# KiCad board rabbit_mask_capacitors_right.kicad_pcb (continued)
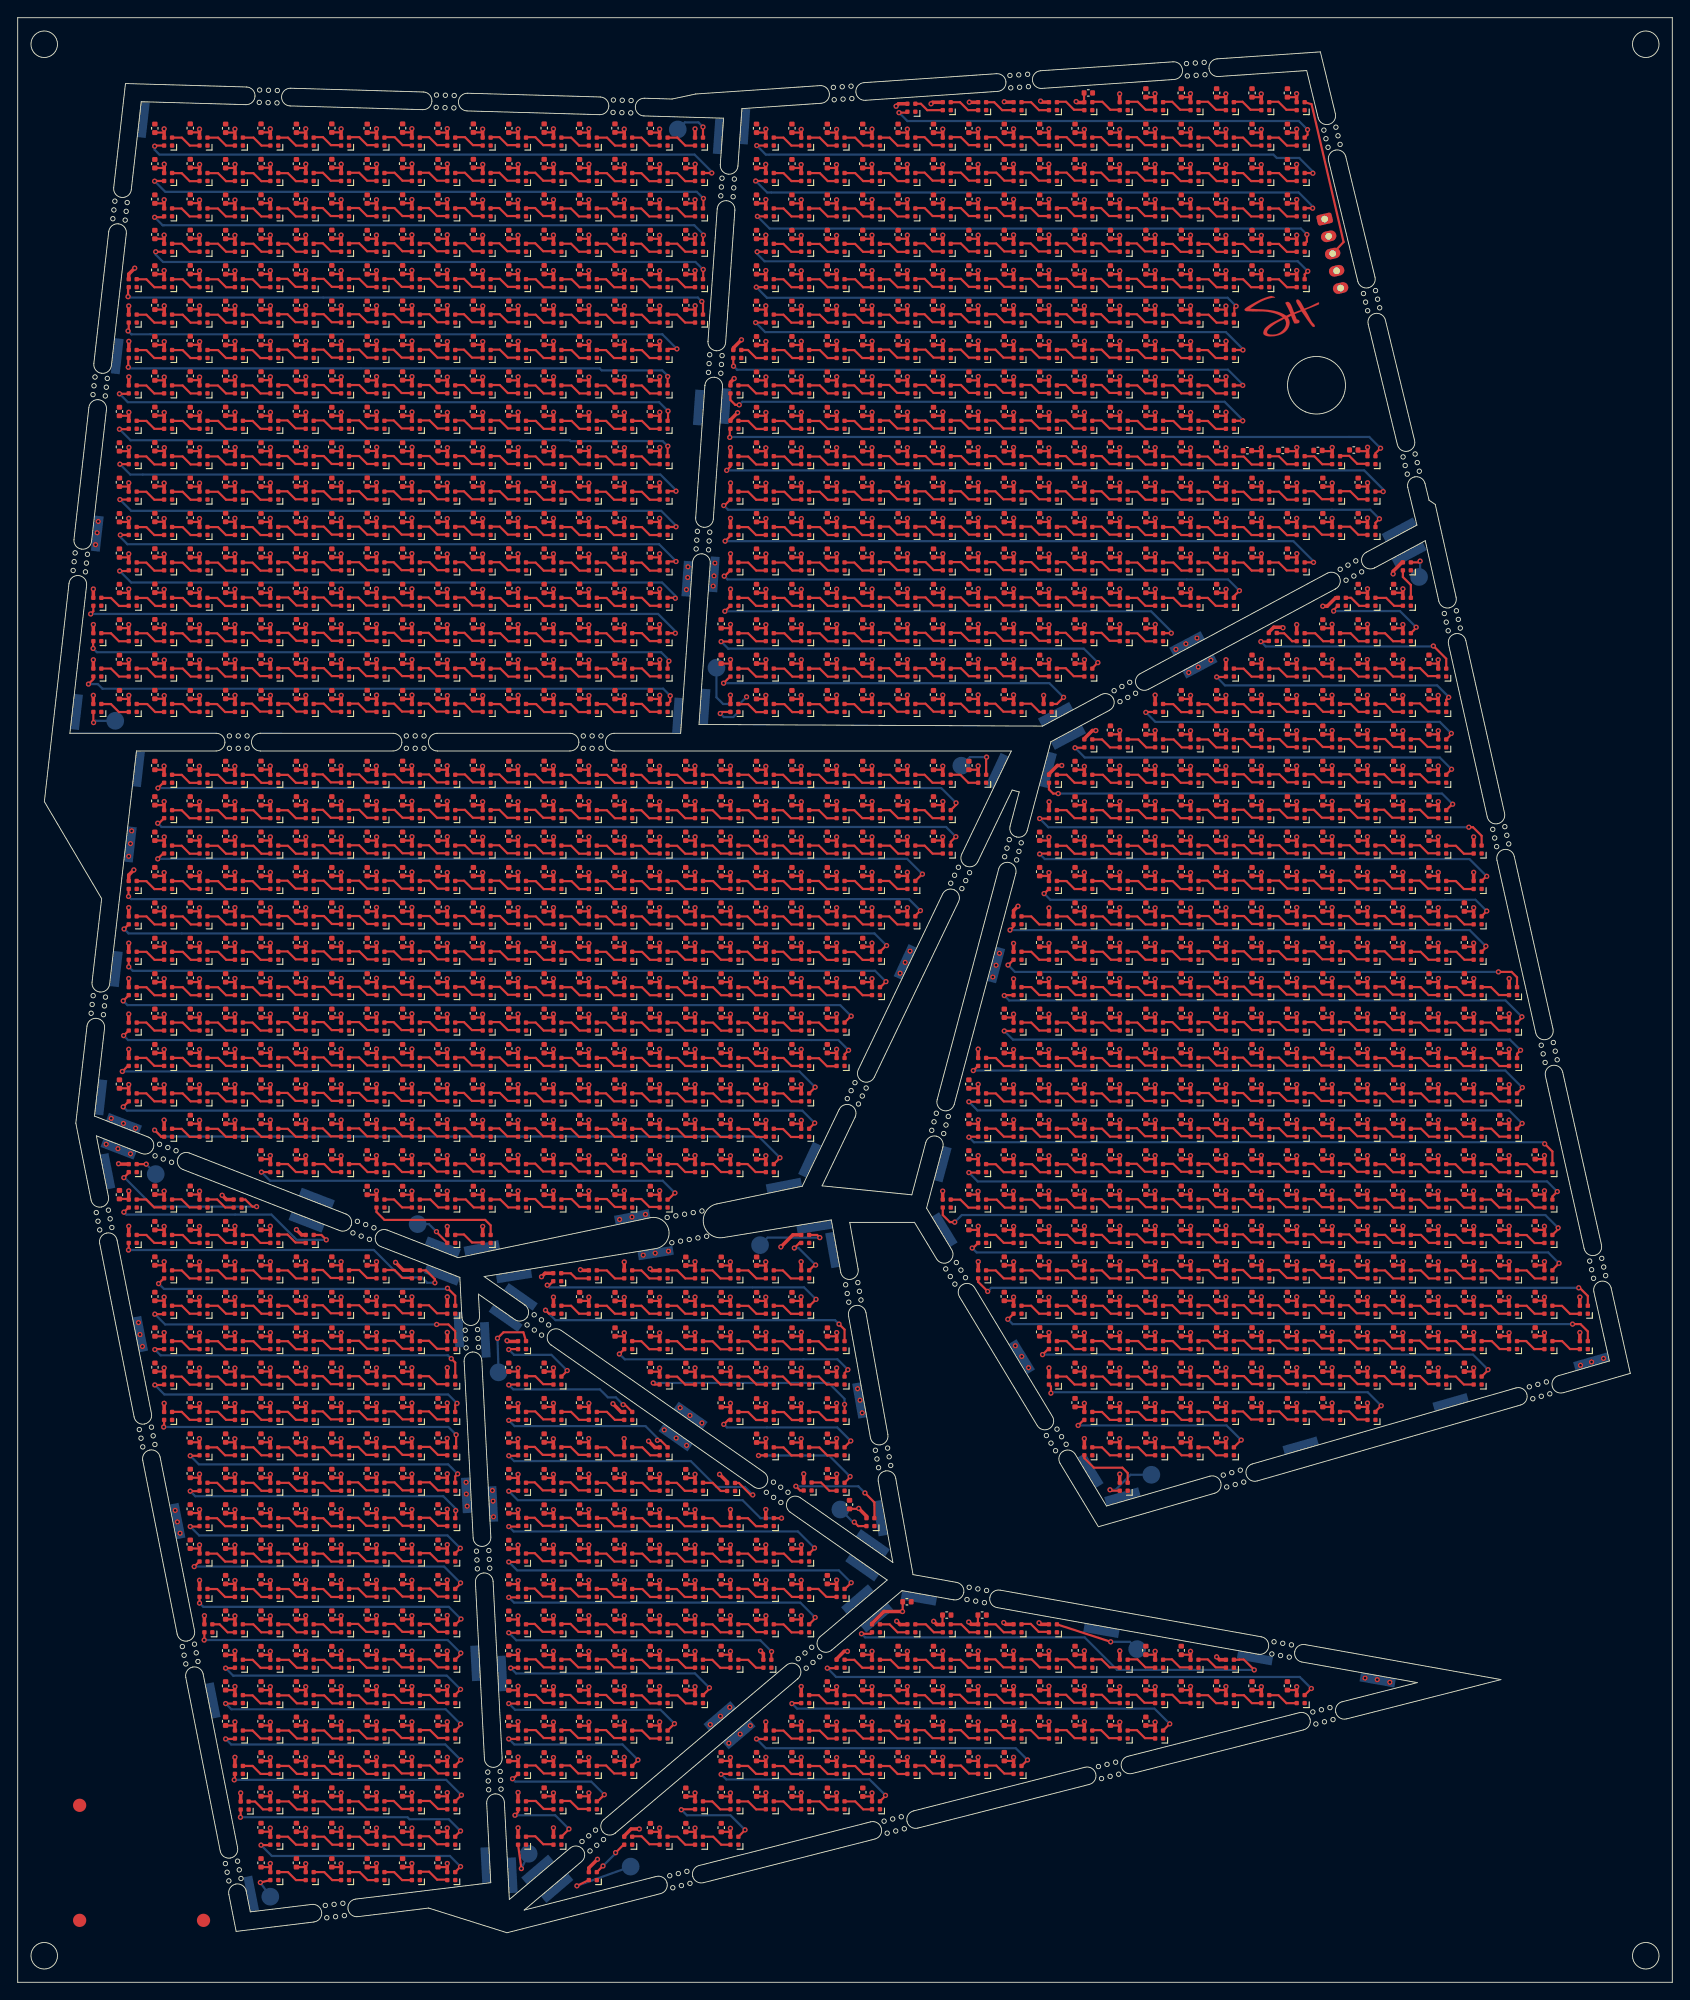
[diagram p0: board, top side]
## Routing (per net, layer and track width the routed paths; a pad name or vN(x,y) marks a point on that pad's centre or on a via; arc(x,y) is an arc through that point) (continued)
  Top w0.25: 157.39,124.49 158.49,124.49 159.39,123.59 160.49,123.59
Net-(D2219-DIN): length 3.5
  Top w0.25: 161.44,124.44 162.54,124.44 163.44,123.54 164.54,123.54
Net-(D2221-DIN): length 3.5
  Top w0.25: 16.56,119.54 15.46,119.54 14.56,120.44 13.46,120.44
Net-(D2221-DOUT): length 88.7
  Top w0.25: D2221.3 v1(12.03,119.03) ; v1(98.2,117.15) 98.15,117.15 D2279.1
  Bottom w0.25: v1(12.03,119.03) 12.53,118.53 96.82,118.53 v1(98.2,117.15)
Net-(D2222-DIN): length 3.5
  Top w0.25: 20.66,119.54 19.56,119.54 18.66,120.44 17.56,120.44
Net-(D2223-DIN): length 3.5
  Top w0.25: 21.56,120.44 22.66,120.44 23.56,119.54 24.66,119.54
Net-(D2224-DIN): length 3.5
  Top w0.25: 28.56,119.54 27.46,119.54 26.56,120.44 25.46,120.44
Net-(D2225-DIN): length 3.5
  Top w0.25: 29.41,120.49 30.51,120.49 31.41,119.59 32.51,119.59
Net-(D2226-DIN): length 3.5
  Top w0.25: 33.51,120.49 34.61,120.49 35.51,119.59 36.61,119.59
Net-(D2227-DIN): length 3.5
  Top w0.25: 40.61,119.59 39.51,119.59 38.61,120.49 37.51,120.49
Net-(D2228-DIN): length 3.5
  Top w0.25: 41.41,120.49 42.51,120.49 43.41,119.59 44.51,119.59
Net-(D2229-DIN): length 3.5
  Top w0.25: 48.56,119.59 47.46,119.59 46.56,120.49 45.46,120.49
Net-(D2230-DIN): length 3.5
  Top w0.25: 49.36,120.49 50.46,120.49 51.36,119.59 52.46,119.59
Net-(D2231-DIN): length 3.5
  Top w0.25: 56.51,119.59 55.41,119.59 54.51,120.49 53.41,120.49
Net-(D2232-DIN): length 3.5
  Top w0.25: 60.56,119.54 59.46,119.54 58.56,120.44 57.46,120.44
Net-(D2233-DIN): length 3.5
  Top w0.25: 64.61,119.54 63.51,119.54 62.61,120.44 61.51,120.44
Net-(D2234-DIN): length 3.5
  Top w0.25: 68.51,119.54 67.41,119.54 66.51,120.44 65.41,120.44
Net-(D2235-DIN): length 3.5
  Top w0.25: 72.56,119.54 71.46,119.54 70.56,120.44 69.46,120.44
Net-(D2236-DIN): length 3.5
  Top w0.25: 76.54,119.54 75.44,119.54 74.54,120.44 73.44,120.44
Net-(D2237-DIN): length 3.5
  Top w0.25: 77.49,120.44 78.59,120.44 79.49,119.54 80.59,119.54
Net-(D2238-DIN): length 3.5
  Top w0.25: 81.39,120.44 82.49,120.44 83.39,119.54 84.49,119.54
Net-(D2239-DIN): length 3.5
  Top w0.25: 85.44,120.44 86.54,120.44 87.44,119.54 88.54,119.54
Net-(D2240-DIN): length 3.5
  Top w0.25: 92.56,119.54 91.46,119.54 90.56,120.44 89.46,120.44
Net-(D2241-DIN): length 3.5
  Top w0.25: 93.51,120.44 94.61,120.44 95.51,119.54 96.61,119.54
Net-(D2242-DIN): length 3.5
  Top w0.25: 100.51,119.54 99.41,119.54 98.51,120.44 97.41,120.44
Net-(D2244-DIN): length 3.5
  Top w0.25: 113.45,120.44 114.55,120.44 115.45,119.54 116.55,119.54
Net-(D2244-DOUT): length 56.2
  Top w0.25: D2293.1 165.93,116.92 v1(165.93,117.08) ; v1(112.15,118.9) 112.55,119.3 D2244.3
  Bottom w0.25: v1(112.15,118.9) 164.1,118.9 v1(165.93,117.08)
Net-(D2245-DIN): length 3.5
  Top w0.25: 120.65,119.54 119.55,119.54 118.65,120.44 117.55,120.44
Net-(D2246-DIN): length 3.5
  Top w0.25: 124.65,119.54 123.55,119.54 122.65,120.44 121.55,120.44
Net-(D2247-DIN): length 3.5
  Top w0.25: 125.45,120.44 126.55,120.44 127.45,119.54 128.55,119.54
Net-(D2248-DIN): length 3.5
  Top w0.25: 129.4,120.49 130.5,120.49 131.4,119.59 132.5,119.59
Net-(D2249-DIN): length 3.5
  Top w0.25: 133.5,120.49 134.6,120.49 135.5,119.59 136.6,119.59
Net-(D2250-DIN): length 3.5
  Top w0.25: 137.5,120.49 138.6,120.49 139.5,119.59 140.6,119.59
Net-(D2251-DIN): length 3.5
  Top w0.25: 141.4,120.49 142.5,120.49 143.4,119.59 144.5,119.59
Net-(D2252-DIN): length 3.5
  Top w0.25: 148.55,119.59 147.45,119.59 146.55,120.49 145.45,120.49
Net-(D2253-DIN): length 3.5
  Top w0.25: 152.45,119.59 151.35,119.59 150.45,120.49 149.35,120.49
Net-(D2254-DIN): length 3.5
  Top w0.25: 153.4,120.49 154.5,120.49 155.4,119.59 156.5,119.59
Net-(D2255-DIN): length 3.5
  Top w0.25: 160.55,119.54 159.45,119.54 158.55,120.44 157.45,120.44
Net-(D2256-DIN): length 3.5
  Top w0.25: 164.6,119.54 163.5,119.54 162.6,120.44 161.5,120.44
Net-(D2258-DIN): length 3.5
  Top w0.25: 13.46,116.44 14.56,116.44 15.46,115.54 16.56,115.54
Net-(D2258-DOUT): length 88
  Top w0.25: v1(12.55,114.75) D2258.3 ; D2315.1 97.5,112.45 v1(98.12,113.07)
  Bottom w0.25: v1(98.12,113.07) 96.9,114.3 13,114.3 v1(12.55,114.75)
Net-(D2259-DIN): length 3.5
  Top w0.25: 20.66,115.54 19.56,115.54 18.66,116.44 17.56,116.44
Net-(D2260-DIN): length 3.5
  Top w0.25: 24.66,115.54 23.56,115.54 22.66,116.44 21.56,116.44
Net-(D2261-DIN): length 3.5
  Top w0.25: 25.46,116.44 26.56,116.44 27.46,115.54 28.56,115.54
Net-(D2262-DIN): length 3.5
  Top w0.25: 29.41,116.49 30.51,116.49 31.41,115.59 32.51,115.59
Net-(D2263-DIN): length 3.5
  Top w0.25: 36.61,115.59 35.51,115.59 34.61,116.49 33.51,116.49
Net-(D2264-DIN): length 3.5
  Top w0.25: 37.51,116.49 38.61,116.49 39.51,115.59 40.61,115.59
Net-(D2265-DIN): length 3.5
  Top w0.25: 41.41,116.49 42.51,116.49 43.41,115.59 44.51,115.59
Net-(D2266-DIN): length 3.5
  Top w0.25: 48.56,115.59 47.46,115.59 46.56,116.49 45.46,116.49
Net-(D2267-DIN): length 3.5
  Top w0.25: 52.46,115.59 51.36,115.59 50.46,116.49 49.36,116.49
Net-(D2268-DIN): length 3.5
  Top w0.25: 56.51,115.59 55.41,115.59 54.51,116.49 53.41,116.49
Net-(D2269-DIN): length 3.5
  Top w0.25: 60.56,115.54 59.46,115.54 58.56,116.44 57.46,116.44
Net-(D2270-DIN): length 3.5
  Top w0.25: 64.61,115.54 63.51,115.54 62.61,116.44 61.51,116.44
Net-(D2271-DIN): length 3.5
  Top w0.25: 68.51,115.54 67.41,115.54 66.51,116.44 65.41,116.44
Net-(D2272-DIN): length 3.5
  Top w0.25: 72.56,115.54 71.46,115.54 70.56,116.44 69.46,116.44
Net-(D2273-DIN): length 3.5
  Top w0.25: 73.43,116.45 74.53,116.45 75.43,115.55 76.53,115.55
Net-(D2274-DIN): length 3.5
  Top w0.25: 80.58,115.55 79.48,115.55 78.58,116.45 77.48,116.45
Net-(D2275-DIN): length 3.5
  Top w0.25: 81.38,116.45 82.48,116.45 83.38,115.55 84.48,115.55
Net-(D2276-DIN): length 3.5
  Top w0.25: 88.53,115.55 87.43,115.55 86.53,116.45 85.43,116.45
Net-(D2277-DIN): length 3.5
  Top w0.25: 92.54,115.53 91.44,115.53 90.54,116.43 89.44,116.43
Net-(D2278-DIN): length 3.5
  Top w0.25: 96.59,115.53 95.49,115.53 94.59,116.43 93.49,116.43
Net-(D2280-DIN): length 3.5
  Top w0.25: D2281.3 115.45,115.55 114.55,116.45 D2280.1
Net-(D2280-DOUT): length 60.1
  Top w0.25: v1(167.35,114.17) 168.84,114.17 169.45,113.56 D2330.1 ; D2280.3 111.95,114.95 v1(111.93,114.95)
  Bottom w0.25: v1(111.93,114.95) 112.7,114.17 v1(167.35,114.17)
Net-(D2281-DIN): length 3.5
  Top w0.25: 120.65,115.55 119.55,115.55 118.65,116.45 117.55,116.45
Net-(D2282-DIN): length 3.5
  Top w0.25: 124.65,115.55 123.55,115.55 122.65,116.45 121.55,116.45
Net-(D2283-DIN): length 3.5
  Top w0.25: D2284.3 127.45,115.55 126.55,116.45 D2283.1
Net-(D2284-DIN): length 3.5
  Top w0.25: 129.4,116.5 130.5,116.5 131.4,115.6 132.5,115.6
Net-(D2285-DIN): length 3.5
  Top w0.25: 136.6,115.6 135.5,115.6 134.6,116.5 133.5,116.5
Net-(D2286-DIN): length 3.5
  Top w0.25: 140.6,115.6 139.5,115.6 138.6,116.5 137.5,116.5
Net-(D2287-DIN): length 3.5
  Top w0.25: 141.4,116.5 142.5,116.5 143.4,115.6 144.5,115.6
Net-(D2288-DIN): length 3.5
  Top w0.25: 145.45,116.5 146.55,116.5 147.45,115.6 148.55,115.6
Net-(D2289-DIN): length 3.5
  Top w0.25: 152.45,115.6 151.35,115.6 150.45,116.5 149.35,116.5
Net-(D2290-DIN): length 3.5
  Top w0.25: 156.5,115.6 155.4,115.6 154.5,116.5 153.4,116.5
Net-(D2291-DIN): length 3.5
  Top w0.25: D2291.1 158.55,116.45 159.45,115.55 D2292.3
Net-(D2292-DIN): length 3.5
  Top w0.25: 161.5,116.45 162.6,116.45 163.5,115.55 164.6,115.55
Net-(D2294-DIN): length 3.5
  Top w0.25: 16.55,111.54 15.45,111.54 14.55,112.44 13.45,112.44
Net-(D2294-DOUT): length 84.9
  Top w0.25: v1(11.93,110.9) 12.55,111.53 D2294.3 ; v1(94.2,109.18) 94.18,109.18 D2351.1
  Bottom w0.25: v1(11.93,110.9) 12.4,110.43 92.95,110.43 v1(94.2,109.18)
Net-(D2295-DIN): length 3.5
  Top w0.25: 17.55,112.44 18.65,112.44 19.55,111.54 20.65,111.54
Net-(D2296-DIN): length 3.5
  Top w0.25: 24.65,111.54 23.55,111.54 22.65,112.44 21.55,112.44
Net-(D2297-DIN): length 3.5
  Top w0.25: 25.45,112.44 26.55,112.44 27.45,111.54 28.55,111.54
Net-(D2298-DIN): length 3.5
  Top w0.25: 29.4,112.49 30.5,112.49 31.4,111.59 32.5,111.59
Net-(D2299-DIN): length 3.5
  Top w0.25: 36.6,111.59 35.5,111.59 34.6,112.49 33.5,112.49
Net-(D2300-DIN): length 3.5
  Top w0.25: 37.5,112.49 38.6,112.49 39.5,111.59 40.6,111.59
Net-(D2301-DIN): length 3.5
  Top w0.25: 41.4,112.49 42.5,112.49 43.4,111.59 44.5,111.59
Net-(D2302-DIN): length 3.5
  Top w0.25: 45.45,112.49 46.55,112.49 47.45,111.59 48.55,111.59
Net-(D2303-DIN): length 3.5
  Top w0.25: 49.35,112.49 50.45,112.49 51.35,111.59 52.45,111.59
Net-(D2304-DIN): length 3.5
  Top w0.25: 53.4,112.49 54.5,112.49 55.4,111.59 56.5,111.59
Net-(D2305-DIN): length 3.5
  Top w0.25: 60.55,111.54 59.45,111.54 58.55,112.44 57.45,112.44
Net-(D2306-DIN): length 3.5
  Top w0.25: 64.6,111.54 63.5,111.54 62.6,112.44 61.5,112.44
Net-(D2307-DIN): length 3.5
  Top w0.25: 68.5,111.54 67.4,111.54 66.5,112.44 65.4,112.44
Net-(D2308-DIN): length 3.5
  Top w0.25: 72.55,111.54 71.45,111.54 70.55,112.44 69.45,112.44
Net-(D2309-DIN): length 3.5
  Top w0.25: 73.44,112.44 74.54,112.44 75.44,111.54 76.54,111.54
Net-(D2310-DIN): length 3.5
  Top w0.25: 77.49,112.44 78.59,112.44 79.49,111.54 80.59,111.54
Net-(D2311-DIN): length 3.5
  Top w0.25: 81.39,112.44 82.49,112.44 83.39,111.54 84.49,111.54
Net-(D2312-DIN): length 3.5
  Top w0.25: 85.44,112.44 86.54,112.44 87.44,111.54 88.54,111.54
Net-(D2313-DIN): length 3.5
  Top w0.25: 92.54,111.54 91.44,111.54 90.54,112.44 89.44,112.44
Net-(D2314-DIN): length 3.5
  Top w0.25: 93.49,112.44 94.59,112.44 95.49,111.54 96.59,111.54
Net-(D2316-DIN): length 3.5
  Top w0.25: 113.45,112.46 114.55,112.46 115.45,111.56 116.55,111.56
Net-(D2316-DOUT): length 61.4
  Top w0.25: D2316.3 111.55,111.55 v1(111.5,111.5) ; D2366.1 170,109 v1(170,109.1)
  Bottom w0.25: v1(111.5,111.5) 112.05,110.95 168.15,110.95 v1(170,109.1)
Net-(D2317-DIN): length 3.5
  Top w0.25: 117.55,112.46 118.65,112.46 119.55,111.56 120.65,111.56
Net-(D2318-DIN): length 3.5
  Top w0.25: 124.65,111.56 123.55,111.56 122.65,112.46 121.55,112.46
Net-(D2319-DIN): length 3.5
  Top w0.25: 128.55,111.56 127.45,111.56 126.55,112.46 125.45,112.46
Net-(D2320-DIN): length 3.5
  Top w0.25: 129.4,112.51 130.5,112.51 131.4,111.61 132.5,111.61
Net-(D2321-DIN): length 3.5
  Top w0.25: 136.6,111.61 135.5,111.61 134.6,112.51 133.5,112.51
Net-(D2322-DIN): length 3.5
  Top w0.25: 140.6,111.61 139.5,111.61 138.6,112.51 137.5,112.51
Net-(D2323-DIN): length 3.5
  Top w0.25: 141.4,112.51 142.5,112.51 143.4,111.61 144.5,111.61
Net-(D2324-DIN): length 3.5
  Top w0.25: 148.55,111.61 147.45,111.61 146.55,112.51 145.45,112.51
Net-(D2325-DIN): length 3.5
  Top w0.25: 152.45,111.61 151.35,111.61 150.45,112.51 149.35,112.51
Net-(D2326-DIN): length 3.5
  Top w0.25: 153.4,112.51 154.5,112.51 155.4,111.61 156.5,111.61
Net-(D2327-DIN): length 3.5
  Top w0.25: 157.45,112.46 158.55,112.46 159.45,111.56 160.55,111.56
Net-(D2328-DIN): length 3.5
  Top w0.25: 164.6,111.56 163.5,111.56 162.6,112.46 161.5,112.46
Net-(D2329-DIN): length 3.5
  Top w0.25: 168.5,111.56 167.4,111.56 166.5,112.46 165.4,112.46
Net-(D2331-DIN): length 3.5
  Top w0.25: 13.44,108.45 14.54,108.45 15.44,107.55 16.54,107.55
Net-(D2331-DOUT): length 84.5
  Top w0.25: D2387.1 93.45,104.88 v1(93.9,105.32) ; v1(11.97,106.97) D2331.3
  Bottom w0.25: v1(93.9,105.32) 92.75,106.47 12.47,106.47 v1(11.97,106.97)
Net-(D2332-DIN): length 3.5
  Top w0.25: 17.54,108.45 18.64,108.45 19.54,107.55 20.64,107.55
Net-(D2333-DIN): length 3.5
  Top w0.25: 24.64,107.55 23.54,107.55 22.64,108.45 21.54,108.45
Net-(D2334-DIN): length 3.5
  Top w0.25: 25.44,108.45 26.54,108.45 27.44,107.55 28.54,107.55
Net-(D2335-DIN): length 3.5
  Top w0.25: 29.39,108.5 30.49,108.5 31.39,107.6 32.49,107.6
Net-(D2336-DIN): length 3.5
  Top w0.25: 33.49,108.5 34.59,108.5 35.49,107.6 36.59,107.6
Net-(D2337-DIN): length 3.5
  Top w0.25: 40.59,107.6 39.49,107.6 38.59,108.5 37.49,108.5
Net-(D2338-DIN): length 3.5
  Top w0.25: 41.39,108.5 42.49,108.5 43.39,107.6 44.49,107.6
Net-(D2339-DIN): length 3.5
  Top w0.25: 45.44,108.5 46.54,108.5 47.44,107.6 48.54,107.6
Net-(D2340-DIN): length 3.5
  Top w0.25: 52.44,107.6 51.34,107.6 50.44,108.5 49.34,108.5
Net-(D2341-DIN): length 3.5
  Top w0.25: 56.49,107.6 55.39,107.6 54.49,108.5 53.39,108.5
Net-(D2342-DIN): length 3.5
  Top w0.25: 60.54,107.55 59.44,107.55 58.54,108.45 57.44,108.45
Net-(D2343-DIN): length 3.5
  Top w0.25: 64.59,107.55 63.49,107.55 62.59,108.45 61.49,108.45
Net-(D2344-DIN): length 3.5
  Top w0.25: 65.39,108.45 66.49,108.45 67.39,107.55 68.49,107.55
Net-(D2345-DIN): length 3.5
  Top w0.25: 69.44,108.45 70.54,108.45 71.44,107.55 72.54,107.55
Net-(D2346-DIN): length 3.5
  Top w0.25: 73.44,108.44 74.54,108.44 75.44,107.54 76.54,107.54
Net-(D2347-DIN): length 3.5
  Top w0.25: 80.59,107.54 79.49,107.54 78.59,108.44 77.49,108.44
Net-(D2348-DIN): length 3.5
  Top w0.25: 84.49,107.54 83.39,107.54 82.49,108.44 81.39,108.44
Net-(D2349-DIN): length 3.5
  Top w0.25: 88.54,107.54 87.44,107.54 86.54,108.44 85.44,108.44
Net-(D2350-DIN): length 3.5
  Top w0.25: 92.56,107.55 91.46,107.55 90.56,108.45 89.46,108.45
Net-(D2352-DIN): length 3.5
  Top w0.25: D2352.1 114.55,108.45 115.45,107.55 D2353.3
Net-(D2352-DOUT): length 61.4
  Top w0.25: v1(169.85,105.32) 169.45,104.93 D2403.1 ; v1(111.5,107.5) 112.5,107.5 D2352.3
  Bottom w0.25: v1(169.85,105.32) 168.65,106.53 112.48,106.53 v1(111.5,107.5)
Net-(D2353-DIN): length 3.5
  Top w0.25: 120.65,107.55 119.55,107.55 118.65,108.45 117.55,108.45
Net-(D2354-DIN): length 3.5
  Top w0.25: 124.65,107.55 123.55,107.55 122.65,108.45 121.55,108.45
Net-(D2355-DIN): length 3.5
  Top w0.25: D2356.3 127.45,107.55 126.55,108.45 D2355.1
Net-(D2356-DIN): length 3.5
  Top w0.25: 129.4,108.5 130.5,108.5 131.4,107.6 132.5,107.6
Net-(D2357-DIN): length 3.5
  Top w0.25: 133.5,108.5 134.6,108.5 135.5,107.6 136.6,107.6
Net-(D2358-DIN): length 3.5
  Top w0.25: 140.6,107.6 139.5,107.6 138.6,108.5 137.5,108.5
Net-(D2359-DIN): length 3.5
  Top w0.25: 141.4,108.5 142.5,108.5 143.4,107.6 144.5,107.6
Net-(D2360-DIN): length 3.5
  Top w0.25: 145.45,108.5 146.55,108.5 147.45,107.6 148.55,107.6
Net-(D2361-DIN): length 3.5
  Top w0.25: 152.45,107.6 151.35,107.6 150.45,108.5 149.35,108.5
Net-(D2362-DIN): length 3.5
  Top w0.25: 153.4,108.5 154.5,108.5 155.4,107.6 156.5,107.6
Net-(D2363-DIN): length 3.5
  Top w0.25: D2364.3 159.45,107.55 158.55,108.45 D2363.1
Net-(D2364-DIN): length 3.5
  Top w0.25: 164.6,107.55 163.5,107.55 162.6,108.45 161.5,108.45
Net-(D2365-DIN): length 3.5
  Top w0.25: 165.4,108.45 166.5,108.45 167.4,107.55 168.5,107.55
Net-(D2367-DIN): length 3.5
  Top w0.25: 16.54,103.56 15.44,103.56 14.54,104.46 13.44,104.46
Net-(D2367-DOUT): length 81
  Top w0.25: D2423.1 90.12,101.12 v1(90.12,101.15) ; D2367.3 12.45,103.55 v1(11.82,102.93)
  Bottom w0.25: v1(11.82,102.93) 88.35,102.93 v1(90.12,101.15)
Net-(D2368-DIN): length 3.5
  Top w0.25: 17.54,104.46 18.64,104.46 19.54,103.56 20.64,103.56
Net-(D2369-DIN): length 3.5
  Top w0.25: 21.54,104.46 22.64,104.46 23.54,103.56 24.64,103.56
Net-(D2370-DIN): length 3.5
  Top w0.25: 28.54,103.56 27.44,103.56 26.54,104.46 25.44,104.46
Net-(D2371-DIN): length 3.5
  Top w0.25: 32.49,103.61 31.39,103.61 30.49,104.51 29.39,104.51
Net-(D2372-DIN): length 3.5
  Top w0.25: 33.49,104.51 34.59,104.51 35.49,103.61 36.59,103.61
Net-(D2373-DIN): length 3.5
  Top w0.25: 37.49,104.51 38.59,104.51 39.49,103.61 40.59,103.61
Net-(D2374-DIN): length 3.5
  Top w0.25: 41.39,104.51 42.49,104.51 43.39,103.61 44.49,103.61
Net-(D2375-DIN): length 3.5
  Top w0.25: 48.54,103.61 47.44,103.61 46.54,104.51 45.44,104.51
Net-(D2376-DIN): length 3.5
  Top w0.25: 52.44,103.61 51.34,103.61 50.44,104.51 49.34,104.51
Net-(D2377-DIN): length 3.5
  Top w0.25: 56.49,103.61 55.39,103.61 54.49,104.51 53.39,104.51
Net-(D2378-DIN): length 3.5
  Top w0.25: 60.54,103.56 59.44,103.56 58.54,104.46 57.44,104.46
Net-(D2379-DIN): length 3.5
  Top w0.25: 61.49,104.46 62.59,104.46 63.49,103.56 64.59,103.56
Net-(D2380-DIN): length 3.5
  Top w0.25: 65.39,104.46 66.49,104.46 67.39,103.56 68.49,103.56
Net-(D2381-DIN): length 3.5
  Top w0.25: 69.44,104.46 70.54,104.46 71.44,103.56 72.54,103.56
Net-(D2382-DIN): length 3.5
  Top w0.25: D2383.3 75.45,103.55 74.55,104.45 D2382.1
Net-(D2383-DIN): length 3.5
  Top w0.25: 77.5,104.45 78.6,104.45 79.5,103.55 80.6,103.55
Net-(D2384-DIN): length 3.5
  Top w0.25: 84.5,103.55 83.4,103.55 82.5,104.45 81.4,104.45
Net-(D2385-DIN): length 3.5
  Top w0.25: D2385.1 86.55,104.45 87.45,103.55 D2386.3
Net-(D2386-DIN): length 3.5
  Top w0.25: 92.56,103.52 91.46,103.52 90.56,104.42 89.46,104.42
Net-(D2388-DIN): length 3.5
  Top w0.25: 112.55,103.54 111.45,103.54 110.55,104.44 109.45,104.44
Net-(D2388-DOUT): length 64.5
  Top w0.25: D2388.3 108.52,103.55 v1(108,103.03) ; D2439.1 170.05,101.05 v1(170.05,101.1)
  Bottom w0.25: v1(170.05,101.1) 168.12,103.03 v1(108,103.03)
Net-(D2389-DIN): length 3.5
  Top w0.25: 116.65,103.54 115.55,103.54 114.65,104.44 113.55,104.44
Net-(D2390-DIN): length 3.5
  Top w0.25: 117.55,104.44 118.65,104.44 119.55,103.54 120.65,103.54
Net-(D2391-DIN): length 3.5
  Top w0.25: 124.55,103.54 123.45,103.54 122.55,104.44 121.45,104.44
Net-(D2392-DIN): length 3.5
  Top w0.25: 125.4,104.49 126.5,104.49 127.4,103.59 128.5,103.59
Net-(D2393-DIN): length 3.5
  Top w0.25: 129.5,104.49 130.6,104.49 131.5,103.59 132.6,103.59
Net-(D2394-DIN): length 3.5
  Top w0.25: 136.6,103.59 135.5,103.59 134.6,104.49 133.5,104.49
Net-(D2395-DIN): length 3.5
  Top w0.25: 140.5,103.59 139.4,103.59 138.5,104.49 137.4,104.49
Net-(D2396-DIN): length 3.5
  Top w0.25: 144.55,103.59 143.45,103.59 142.55,104.49 141.45,104.49
Net-(D2397-DIN): length 3.5
  Top w0.25: 145.35,104.49 146.45,104.49 147.35,103.59 148.45,103.59
Net-(D2398-DIN): length 3.5
  Top w0.25: 152.5,103.59 151.4,103.59 150.5,104.49 149.4,104.49
Net-(D2399-DIN): length 3.5
  Top w0.25: 153.45,104.44 154.55,104.44 155.45,103.54 156.55,103.54
Net-(D2400-DIN): length 3.5
  Top w0.25: 157.5,104.44 158.6,104.44 159.5,103.54 160.6,103.54
Net-(D2401-DIN): length 3.5
  Top w0.25: 164.5,103.54 163.4,103.54 162.5,104.44 161.4,104.44
Net-(D2402-DIN): length 3.5
  Top w0.25: 168.55,103.54 167.45,103.54 166.55,104.44 165.45,104.44
Net-(D2404-DIN): length 3.5
  Top w0.25: 13.44,100.45 14.54,100.45 15.44,99.55 16.54,99.55
Net-(D2404-DOUT): length 80.7
  Top w0.25: D2458.1 89.45,96.47 v1(90.07,97.1) ; v1(11.93,98.93) D2404.3
  Bottom w0.25: v1(11.93,98.93) 12.35,98.5 88.68,98.5 v1(90.07,97.1)
Net-(D2405-DIN): length 3.5
  Top w0.25: 17.54,100.45 18.64,100.45 19.54,99.55 20.64,99.55
Net-(D2406-DIN): length 3.5
  Top w0.25: 21.54,100.45 22.64,100.45 23.54,99.55 24.64,99.55
Net-(D2407-DIN): length 3.5
  Top w0.25: 25.44,100.45 26.54,100.45 27.44,99.55 28.54,99.55
Net-(D2408-DIN): length 3.5
  Top w0.25: 29.39,100.5 30.49,100.5 31.39,99.6 32.49,99.6
Net-(D2409-DIN): length 3.5
  Top w0.25: 33.49,100.5 34.59,100.5 35.49,99.6 36.59,99.6
Net-(D2410-DIN): length 3.5
  Top w0.25: 37.49,100.5 38.59,100.5 39.49,99.6 40.59,99.6
Net-(D2411-DIN): length 3.5
  Top w0.25: 44.49,99.6 43.39,99.6 42.49,100.5 41.39,100.5
Net-(D2412-DIN): length 3.5
  Top w0.25: 45.44,100.5 46.54,100.5 47.44,99.6 48.54,99.6
Net-(D2413-DIN): length 3.5
  Top w0.25: 49.34,100.5 50.44,100.5 51.34,99.6 52.44,99.6
Net-(D2414-DIN): length 3.5
  Top w0.25: 53.39,100.5 54.49,100.5 55.39,99.6 56.49,99.6
Net-(D2415-DIN): length 3.5
  Top w0.25: 60.54,99.55 59.44,99.55 58.54,100.45 57.44,100.45
Net-(D2416-DIN): length 3.5
  Top w0.25: 64.59,99.55 63.49,99.55 62.59,100.45 61.49,100.45
Net-(D2417-DIN): length 3.5
  Top w0.25: 65.39,100.45 66.49,100.45 67.39,99.55 68.49,99.55
Net-(D2418-DIN): length 3.5
  Top w0.25: 72.54,99.55 71.44,99.55 70.54,100.45 69.44,100.45
Net-(D2419-DIN): length 3.5
  Top w0.25: 76.55,99.54 75.45,99.54 74.55,100.44 73.45,100.44
Net-(D2420-DIN): length 3.5
  Top w0.25: 80.6,99.54 79.5,99.54 78.6,100.44 77.5,100.44
Net-(D2421-DIN): length 3.5
  Top w0.25: 81.4,100.44 82.5,100.44 83.4,99.54 84.5,99.54
Net-(D2422-DIN): length 3.5
  Top w0.25: 88.55,99.54 87.45,99.54 86.55,100.44 85.45,100.44
Net-(D2424-DIN): length 3.5
  Top w0.25: 109.45,100.44 110.55,100.44 111.45,99.54 112.55,99.54
Net-(D2424-DOUT): length 65.4
  Top w0.25: v1(107.5,99.5) 108.5,99.5 D2424.3 ; v1(170.02,97.05) 169.45,96.47 D2474.1
  Bottom w0.25: v1(170.02,97.05) 168.55,98.53 108.48,98.53 v1(107.5,99.5)
Net-(D2425-DIN): length 3.5
  Top w0.25: 116.65,99.54 115.55,99.54 114.65,100.44 113.55,100.44
Net-(D2426-DIN): length 3.5
  Top w0.25: 120.65,99.54 119.55,99.54 118.65,100.44 117.55,100.44
Net-(D2427-DIN): length 3.5
  Top w0.25: 124.55,99.54 123.45,99.54 122.55,100.44 121.45,100.44
Net-(D2428-DIN): length 3.5
  Top w0.25: 125.4,100.49 126.5,100.49 127.4,99.59 128.5,99.59
Net-(D2429-DIN): length 3.5
  Top w0.25: 129.5,100.49 130.6,100.49 131.5,99.59 132.6,99.59
Net-(D2430-DIN): length 3.5
  Top w0.25: 133.5,100.49 134.6,100.49 135.5,99.59 136.6,99.59
Net-(D2431-DIN): length 3.5
  Top w0.25: 140.5,99.59 139.4,99.59 138.5,100.49 137.4,100.49
Net-(D2432-DIN): length 3.5
  Top w0.25: 144.55,99.59 143.45,99.59 142.55,100.49 141.45,100.49
Net-(D2433-DIN): length 3.5
  Top w0.25: 148.45,99.59 147.35,99.59 146.45,100.49 145.35,100.49
Net-(D2434-DIN): length 3.5
  Top w0.25: 149.4,100.49 150.5,100.49 151.4,99.59 152.5,99.59
Net-(D2435-DIN): length 3.5
  Top w0.25: 156.55,99.54 155.45,99.54 154.55,100.44 153.45,100.44
Net-(D2436-DIN): length 3.5
  Top w0.25: 157.5,100.44 158.6,100.44 159.5,99.54 160.6,99.54
Net-(D2437-DIN): length 3.5
  Top w0.25: 164.5,99.54 163.4,99.54 162.5,100.44 161.4,100.44
Net-(D2438-DIN): length 3.5
  Top w0.25: 168.55,99.54 167.45,99.54 166.55,100.44 165.45,100.44
Net-(D2440-DIN): length 3.5
  Top w0.25: 20.54,95.54 19.44,95.54 18.54,96.44 17.44,96.44
Net-(D2440-DOUT): length 74.4
  Top w0.25: D2490.1 86.15,93.15 v1(86.15,93.18) ; v1(15.47,96.3) 16.22,95.55 D2440.3
  Bottom w0.25: v1(15.47,96.3) 16.2,95.57 83.75,95.57 v1(86.15,93.18)
Net-(D2441-DIN): length 3.5
  Top w0.25: 21.54,96.44 22.64,96.44 23.54,95.54 24.64,95.54
Net-(D2442-DIN): length 3.5
  Top w0.25: 28.64,95.54 27.54,95.54 26.64,96.44 25.54,96.44
Net-(D2443-DIN): length 3.5
  Top w0.25: 32.54,95.54 31.44,95.54 30.54,96.44 29.44,96.44
Net-(D2444-DIN): length 3.5
  Top w0.25: 36.49,95.59 35.39,95.59 34.49,96.49 33.39,96.49
Net-(D2445-DIN): length 3.5
  Top w0.25: 40.59,95.59 39.49,95.59 38.59,96.49 37.49,96.49
Net-(D2446-DIN): length 3.5
  Top w0.25: 41.49,96.49 42.59,96.49 43.49,95.59 44.59,95.59
Net-(D2447-DIN): length 3.5
  Top w0.25: 48.49,95.59 47.39,95.59 46.49,96.49 45.39,96.49
Net-(D2448-DIN): length 3.5
  Top w0.25: 52.54,95.59 51.44,95.59 50.54,96.49 49.44,96.49
Net-(D2449-DIN): length 3.5
  Top w0.25: 53.34,96.49 54.44,96.49 55.34,95.59 56.44,95.59
Net-(D2450-DIN): length 3.5
  Top w0.25: 60.49,95.59 59.39,95.59 58.49,96.49 57.39,96.49
Net-(D2451-DIN): length 3.5
  Top w0.25: 61.44,96.44 62.54,96.44 63.44,95.54 64.54,95.54
Net-(D2452-DIN): length 3.5
  Top w0.25: 68.59,95.54 67.49,95.54 66.59,96.44 65.49,96.44
Net-(D2453-DIN): length 3.5
  Top w0.25: 72.49,95.54 71.39,95.54 70.49,96.44 69.39,96.44
Net-(D2454-DIN): length 3.5
  Top w0.25: 73.44,96.44 74.54,96.44 75.44,95.54 76.54,95.54
Net-(D2455-DIN): length 3.5
  Top w0.25: 80.55,95.52 79.45,95.52 78.55,96.42 77.45,96.42
Net-(D2456-DIN): length 3.5
  Top w0.25: 84.6,95.52 83.5,95.52 82.6,96.42 81.5,96.42
Net-(D2457-DIN): length 3.5
  Top w0.25: 85.4,96.42 86.5,96.42 87.4,95.52 88.5,95.52
Net-(D2459-DIN): length 3.5
  Top w0.25: 109.45,96.46 110.55,96.46 111.45,95.56 112.55,95.56
Net-(D2459-DOUT): length 69.1
  Top w0.25: v1(172.57,94.75) 173.45,93.88 D2507.1 ; v1(107.5,95.5) 107.55,95.55 D2459.3
  Bottom w0.25: v1(172.57,94.75) 172.4,94.93 108.07,94.93 v1(107.5,95.5)
Net-(D2460-DIN): length 3.5
  Top w0.25: 116.65,95.56 115.55,95.56 114.65,96.46 113.55,96.46
Net-(D2461-DIN): length 3.5
  Top w0.25: 117.55,96.46 118.65,96.46 119.55,95.56 120.65,95.56
Net-(D2462-DIN): length 3.5
  Top w0.25: 121.45,96.46 122.55,96.46 123.45,95.56 124.55,95.56
Net-(D2463-DIN): length 3.5
  Top w0.25: 128.5,95.61 127.4,95.61 126.5,96.51 125.4,96.51
Net-(D2464-DIN): length 3.5
  Top w0.25: 129.5,96.51 130.6,96.51 131.5,95.61 132.6,95.61
Net-(D2465-DIN): length 3.5
  Top w0.25: 133.5,96.51 134.6,96.51 135.5,95.61 136.6,95.61
Net-(D2466-DIN): length 3.5
  Top w0.25: 140.5,95.61 139.4,95.61 138.5,96.51 137.4,96.51
Net-(D2467-DIN): length 3.5
  Top w0.25: 144.55,95.61 143.45,95.61 142.55,96.51 141.45,96.51
Net-(D2468-DIN): length 3.5
  Top w0.25: 148.45,95.61 147.35,95.61 146.45,96.51 145.35,96.51
Net-(D2469-DIN): length 3.5
  Top w0.25: 149.4,96.51 150.5,96.51 151.4,95.61 152.5,95.61
Net-(D2470-DIN): length 3.5
  Top w0.25: 153.45,96.46 154.55,96.46 155.45,95.56 156.55,95.56
Net-(D2471-DIN): length 3.5
  Top w0.25: 157.5,96.46 158.6,96.46 159.5,95.56 160.6,95.56
Net-(D2472-DIN): length 3.5
  Top w0.25: 164.5,95.56 163.4,95.56 162.5,96.46 161.4,96.46
Net-(D2473-DIN): length 3.5
  Top w0.25: 165.45,96.46 166.55,96.46 167.45,95.56 168.55,95.56
Net-(D2475-DOUT): length 19.2
  Top w0.25: v1(27,87.65) 26.53,87.65 25.72,88.45 D2511.1 ; D2475.3 12.55,91.47 v1(12,90.93)
  Bottom w0.25: v1(12,90.93) 12.08,90.93 15.35,87.65 v1(27,87.65)
